# Altium PCB ControleBluePill.PcbDoc (continued)
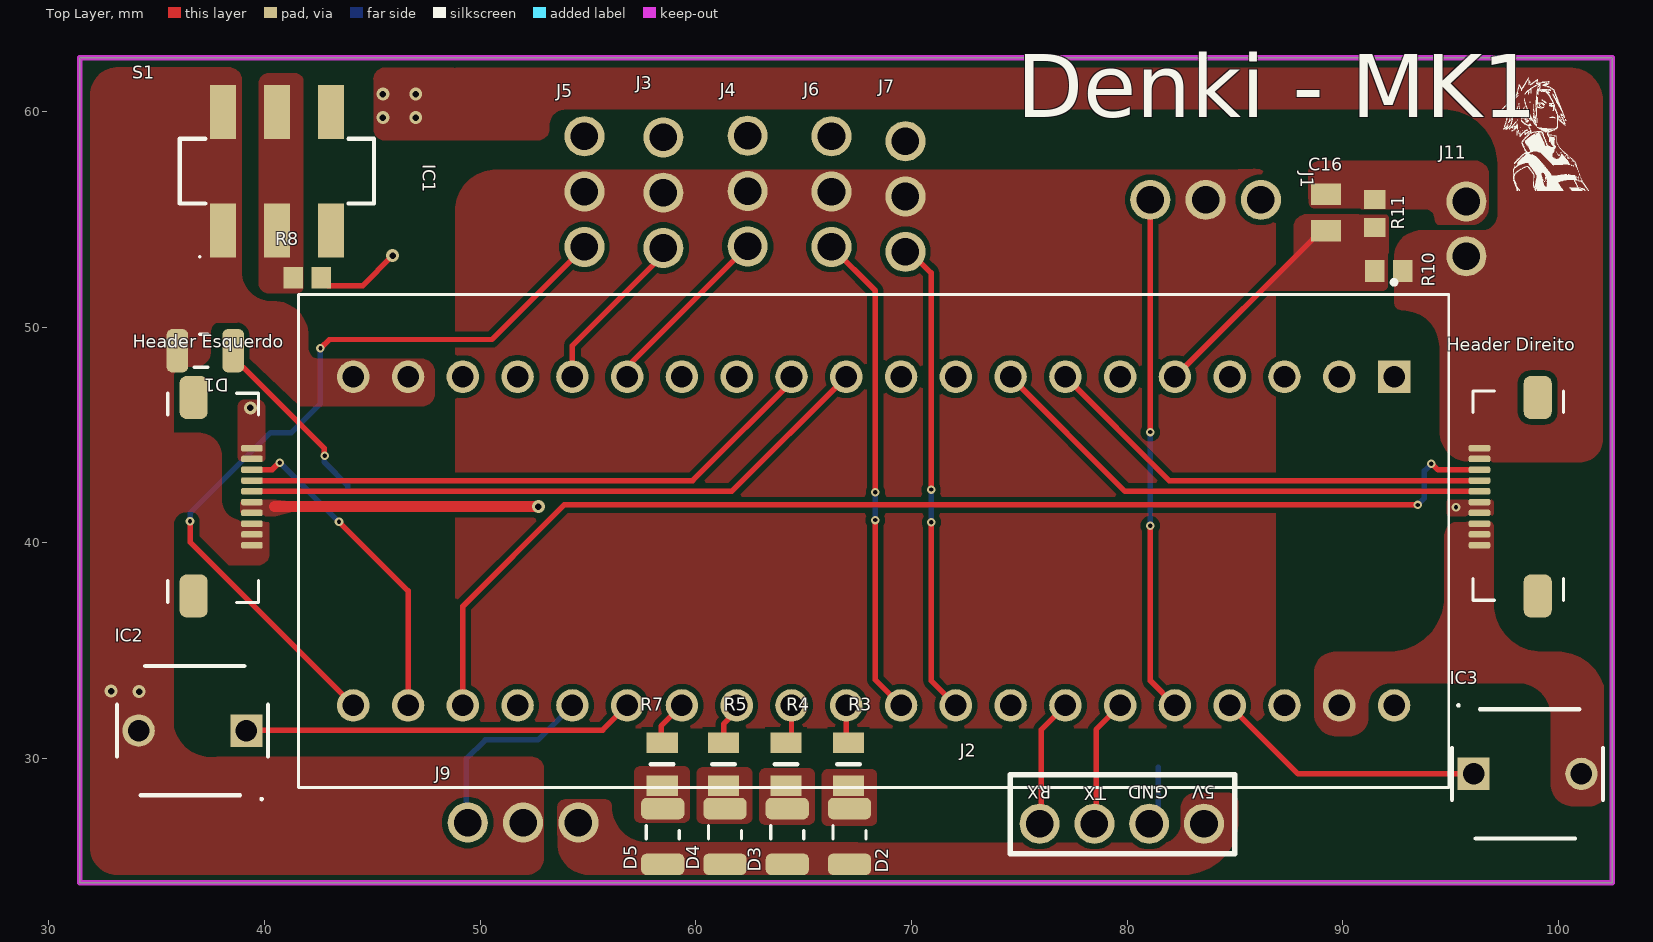
[diagram p0: Top Layer view]
## Part data (continued)
R3 R4 R5 R7: library part CRCW0805100RFKEA, "RES SMD 100 OHM 1% 1/8W 0805", Manufacturer="Vishay / Dale", Operating Temperature="- 55ºC ~ 155ºC", Package / Case="0805 (2012 Metric)", Power Rating="125 mW (1/8 W)", Resistor Type=Fixo, Supplier Part Number 1=71-CRCW0805-100-E3, Temperature Coefficient="100 PPM / C", Tolerance="1 %", Voltage Rating="150 V", Category="Thick Film Resistors - SMD", ComponentLink1Description="Mouser Link", ComponentLink1URL=https://www.mouser.com/ProductDetail/Vishay-Dale/CRCW0805100RFKEA?qs=sGAEpiMZZMu61qfTUdNhG2DpbjADlD3GxPcNG3UnvYk%3D, ComponentLink2Description="Datasheet Link", ComponentLink2URL=https://www.mouser.com/datasheet/2/427/dcrcwe3-1762152.pdf, Library Control - Checked Footprint=No, Library Control - Checked Schematic=Yes, Library Control - Last Update="20/06/21 16:56", Library Control - Person that Checked Schematic=Marcos, Library Control - Person that did the Last Update Footprint=Dalarme, Library Control - Person that did the Last Update Schematic=Marcos, Library Ref=Resistor, Part Number=CRCW0805100RFKEA, Price="1=0,18, 10=0,065, 100=0,027, 1000=0,012 (USD)", Size / Dimension="2 mm L x  1.25 mm W x  0.45 mm H", Supplier 1=Mouser
R8 R9 R10: library part RC0603JR-0710KL, "RES SMD 10K OHM 5% 1/10W 0603", Manufacturer=Yageo, Operating Temperature="- 55ºC ~ 155ºC", Package / Case="0603 (1608 Metric)", Power Rating="100 mW (1/10 W)", Resistor Type=Fixo, Supplier Part Number 1=603-RC0603JR-0710KL, Temperature Coefficient="100 PPM / C", Tolerance="5 %", Voltage Rating="75 V", Category="Thick Film Resistors - SMD", ComponentLink1Description="Mouser Link", ComponentLink1URL=https://br.mouser.com/ProductDetail/Yageo/RC0603JR-0710KL?qs=ksOUTF%2FWcd8D6T22BJkQ7g%3D%3D, ComponentLink2Description="Datsheet Link", ComponentLink2URL=https://br.mouser.com/datasheet/2/447/Yageo_03_18_2021_PYu_RC_Group_51_RoHS_L_11-2199992.pdf, Library Control - Checked Footprint=No, Library Control - Checked Schematic=Yes, Library Control - Last Update="21/06/21 14:15", Library Control - Person that Checked Schematic=Marcos, Library Control - Person that did the Last Update Footprint=Dalarme, Library Control - Person that did the Last Update Schematic=Marcos, Library Ref=Resistor, Part Number=RC0603JR-0710KL, Price="1=0,10, 10=0,015, 100=0,005 1000=0,0040 (USD)", Size / Dimension="1.6 mm L x  0.8 mm W x  0.45 mm H", Supplier 1=Mouser
R11: library part CRGCQ0603F3K3, "RES SMD 3.3K OHM 1% 1/10W 0603", Manufacturer="TE Connectivity / Holsworthy", Operating Temperature="- 55ºC ~ 125ºC", Package / Case="0603 (1608 Metric)", Power Rating="100 mW (1/10 W)", Resistor Type=Fixed, Supplier Part Number 1=279-CRGCQ0603F3K3, Temperature Coefficient="100 PPM / C", Tolerance="1 %", Voltage Rating="75 V", Category="Thick Film Resistors", ComponentLink1Description="Mouser Link", ComponentLink1URL=https://br.mouser.com/ProductDetail/TE-Connectivity-Holsworthy/CRGCQ0603F3K3?qs=sGAEpiMZZMvdGkrng054t7z4BkURc4Lz7mzhBruKq8fwVJ16OlxZFQ%3D%3D, ComponentLink2Description=Datasheet, ComponentLink2URL=https://br.mouser.com/datasheet/2/418/4/NG_DS_1773204-3_1-1358553.pdf, Library Control - Checked Footprint=Yes, Library Control - Checked Schematic=Yes, Library Control - Last Update="27/06/2021 20:27", Library Control - Person that Checked Footprint=Nikaum, Library Control - Person that Checked Schematic=Guilherme, Library Control - Person that did the Last Update Footprint=Dalarme, Library Control - Person that did the Last Update Schematic=Dalarme, Library Ref=Resistor, Part Number=CRGCQ0603F3K3, Price="1=0,10, 10=0,029, 100=0,011 (USD)", Size / Dimension="1.6 mm L x  0.8 mm W x  0.45 mm H", Supplier 1=Mouser
S1: "DEEP SWITCH 4 POSITIONS", Current Rating="300 mA", Manufacturer=C&K, Mouser Part Number=611-JS202011SCQN, Operating Temperature(max - min)=-20~70°C, Voltage Rating DC="30 VDC", ComponentLink1Description="Mouser Link", ComponentLink1URL=https://br.mouser.com/ProductDetail/CK/JS202011SCQN?qs=LgMIjt8LuD95JYWxZ7NvZA%3D%3D, ComponentLink2Description="Datasheet Link", ComponentLink2URL=https://www.mouser.com/datasheet/2/60/js-1841892.pdf, Library Control - Checked Footprint=Yes, Library Control - Checked Schematic=Yes, Library Control - Last Update=15/06/2021, Library Control - Person that Checked Footprint=Nikaum, Library Control - Person that Checked Schematic=Nikaum, Library Control - Person that did the Last Update Footprint=Nikaum, Library Control - Person that did the Last Update Schematic=Nikaum, Library Ref=Diversos, Part Number=JS202011SCQN, Supplier=Mouser, Switch Function="ON - ON"
U1: "IC REG LINEAR 5V 1A D2PAK", Current - Output=1A, Current - Quiescent (Iq)=8mA, Manufacturer=ST, Max Power Dissipation="Internally Limited", Operating Temperature="-40~125 ºC", Package/ Case=D2PAK, Supplier Part Number 1=511-L7805CD2T-TR, Voltage - Dropout (Max)=2V, Voltage - Input (Max)=35V, Voltage - Output (Max)=5.25V, Voltage - Output (Min/Fixed)=5V, Category="Linear Voltage Regulator", ComponentLink1Description="Mouser Link", ComponentLink1URL=https://br.mouser.com/ProductDetail/STMicroelectronics/L7805CD2T-TR?qs=%2Fha2pyFadujE9KQ1BxQHaLKqcK8XYkwQA8UfL%2FIGb8dfQq%2Fq%2FT%2Fjqg%3D%3D, ComponentLink2Description=Datasheet, ComponentLink2URL=https://br.mouser.com/datasheet/2/389/cd00000444-1795274.pdf, Library Control - Checked Footprint=Yes, Library Control - Checked Schematic=Yes, Library Control - Last Update=25/06/21, Library Control - Person that Checked Footprint=Nícolas, Library Control - Person that Checked Schematic=Nícolas, Library Control - Person that did the Last Update Schematic=Nícolas, Library Ref="Voltage Regulator", Number of Regulators=1, Output Type=Fixed, Part Number=L7805CD2T-TR, Power Dissipation="Internally Limited", Price="1=0,93, 10=0,83, 100=0,79 (USD)", Supplier 1=Mouser
J1 J3 J4 J5 J6 J7 J9: Library Ref=Header, Number of Contacts=3, System=Connector
J11: Library Control - Person that did the Last Update Schematic=Marcos, Library Control - Persont that did the Last Update Footprint=Marcos, Library Ref=Header, Number of Contacts=2, System=Connector

## Via types
v1: diameter 0.4, hole 0.2, Top Layer to Bottom Layer, tented top, 14 vias
v2: diameter 0.6, hole 0.3, Top Layer to Bottom Layer, tented top, 9 vias

## Nets (pads, with @x,y where several pads share a name; then routed paths per layer and width w, separated by ;. In a path a pad name is that pad's centre, name@x,y a point inside that pad or via, vN(x,y) a via of type N, cw(c..) or ccw(c..) an arc to the next point about the centre after c; other vN are vias at no path point)
5V: "Header Direito.4" "Header Direito.5" "Header Esquerdo.6" "Header Esquerdo.7" C2.2 C5.1 C15.2 D2.A D3.A D4.A D5.A IC1.5V J1.PIN1 J2.VCC J3.PIN1 J4.PIN1 J5.PIN1 J6.PIN1 J7.PIN1 J9.PIN3 R2.2 U1.3 | length 12.2
  Top Layer w0.5: 40.462,41.681 v2(52.705,41.681)
  other v1: 95.25,41.656
BAT: "Header Direito.9" "Header Direito.10" "Header Esquerdo.1" "Header Esquerdo.2" J11.PIN1 Q1.S R9.1 R10.2
  other v2: 39.345,46.253 45.491,59.715 47.015,59.715 45.491,60.808 47.015,60.808
BLUETOOTHRX: IC1.B6 J2.RX | length 5.9
  Top Layer w0.254: J2.RX@76.022,26.975 76.022,31.344 IC1.B6
BLUETOOTHTX: IC1.B7 J2.TX | length 5.9
  Top Layer w0.254: J2.TX@78.562,26.975 78.562,31.344 IC1.B7
DefineEstrategia: IC1.B9 IC3.1 | length 12.6
  Top Layer w0.254: IC1.B9 87.933,29.288 IC3.1
DIST1: IC1.B11 J3.PIN3 | length 7.7
  Top Layer w0.254: IC1.B11 54.28,49.149 58.496,53.365 J3.PIN3
DIST2: IC1.B10 J4.PIN3 | length 8.4
  Top Layer w0.254: IC1.B10 57.06,47.941 57.06,48.398 J4.PIN3
DIST3: IC1.B12 J5.PIN3 | length 37
  Top Layer w0.254: v1(36.551,40.996) 36.551,40.03 IC1.B12 ; v1(42.596,49.022) 42.605,49.022 43.011,49.428 50.546,49.428 J5.PIN3
  Bottom Layer w0.254: v1(36.551,40.996) 36.551,41.377 40.284,45.11 41.25,45.11 42.596,46.457 v1(42.596,49.022)
DIST4: IC1.B3 J6.PIN3 | length 22.6
  Top Layer w0.254: J6.PIN3 68.326,51.689 v1(68.326,42.339) ; v1(68.322,41.054) 68.322,33.659 IC1.B3
  Bottom Layer w0.254: v1@68.326,41.046 68.324,41.048 68.324,42.337 v1(68.326,42.339)
DIST5: IC1.B4 J7.PIN3 | length 22.2
  Top Layer w0.254: J7.PIN3@69.753,53.683 70.917,52.519 v1(70.917,42.469) ; v1(70.923,40.957) 70.923,33.598 IC1.B4
  Bottom Layer w0.254: v1@70.917,40.945 v1(70.917,42.469)
EscolhaEstrategia: IC1.A9 IC2.1 | length 18.2
  Top Layer w0.254: IC2.1@39.113,31.318 55.677,31.318 IC1.A9
FLAGSIGNAL: IC1.A8 J9.PIN1 | length 8.9
  Bottom Layer w0.254: J9.PIN1@49.353,27.026 49.353,29.972 50.241,30.861 52.68,30.861 IC1.A8
GND: "Header Direito.1" "Header Direito.2" "Header Direito.3" "Header Esquerdo.8" "Header Esquerdo.9" "Header Esquerdo.10" C1.1 C2.1 C5.2 C15.1 C16.1 D1.C IC1.G IC2.2 IC3.2 J1.PIN2 J2.GND J3.PIN2 J4.PIN2 J5.PIN2 J6.PIN2 J7.PIN2 J9.PIN2 J11.PIN2 R11.1 S1.A2 U1.2 | length 2.9
  Bottom Layer w0.254: J2.GND ccw(c81.026,27.395) 81.446,27.395 C15.1
  other v2: 34.188,33.096 32.893,33.122
LED1: IC1.A15 R3.2 | length 1.8
  Top Layer w0.254: IC1.A15 66.98,30.836 R3.2
LED2: IC1.A12 R4.2 | length 1.8
  Top Layer w0.254: R4.2 64.44,30.988 IC1.A12
LED3: IC1.A11 R5.2 | length 2
  Top Layer w0.254: R5.2 61.29,31.59 61.9,32.2 IC1.A11
LED4: IC1.A10 R7.2 | length 2.1
  Top Layer w0.254: R7.2@58.395,30.734 58.395,31.496 IC1.A10
M1_Aux: "Header Esquerdo.3" IC1.B13 | length 15.1
  Top Layer w0.254: 39.421,43.389 40.352,43.389 40.677,43.713 v1(40.716,43.713) ; v1(43.459,40.97) 46.66,37.77 IC1.B13
  Bottom Layer w0.254: v1(40.716,43.713) v1(43.459,40.97)
M1DIR: "Header Esquerdo.5" IC1.A6 | length 29.8
  Top Layer w0.254: 39.421,42.389 61.667,42.389 IC1.A6
M1PWM: "Header Esquerdo.4" IC1.A7 | length 27.3
  Top Layer w0.254: 39.421,42.889 59.856,42.889 IC1.A7@64.73,47.763
M2_Aux: "Header Direito.8" IC1.B14 | length 55.3
  Top Layer w0.254: IC1.B14 49.2,37.059 53.899,41.758 v1(93.472,41.758) ; v1(94.107,43.663) 94.147,43.663 94.423,43.386 96.34,43.386 96.342,43.389
  Bottom Layer w0.254: v1(93.472,41.758) 93.784,42.07 93.784,43.34 v1(94.107,43.663)
M2DIR: "Header Direito.6" IC1.A3 | length 23.9
  Top Layer w0.254: IC1.A3 79.912,42.389 96.342,42.389
M2PWM: "Header Direito.7" IC1.A2 | length 21.2
  Top Layer w0.254: IC1.A2 81.952,42.889 96.342,42.889
MedidorBateria: C16.2 IC1.A0 R10.1 R11.2 | length 9.8
  Top Layer w0.254: IC1.A0 88.617,54.098 88.849,54.098 C16.2
NetC1_2: C1.2 Q1.D U1.1
NetD1_A: D1.A R2.1 | length 8.5
  Top Layer w0.254: D1.A 38.554,48.474 38.917,48.11 39.046,48.11 42.768,44.389 42.768,44.058 v1(42.796,44.03)
  Bottom Layer w0.254: 42.774,43.79 42.774,43.751 43.856,42.668 R2.1
NetD2_C: D2.C R3.1
NetD3_C: D3.C R4.1
NetD4_C: D4.C R5.1
NetD5_C: D5.C R7.1
NetQ1_G: Q1.G R8.2 R9.2 | length 4.1
  Top Layer w0.254: R8.2 42.636,52.249 42.959,51.926 43.1,51.926 43.108,51.918 44.552,51.918 v2(45.949,53.315)
NetR8_1: R8.1 S1.A1
START: IC1.B8 J1.PIN3 | length 23.9
  Top Layer w0.254: v1(81.077,40.792) 81.077,33.604 IC1.B8 ; v1(81.077,45.136) J1.PIN3
  Bottom Layer w0.254: v1(81.077,40.792) v1(81.077,45.136)
pads on no net: "Header Direito.MP1" "Header Direito.MP2" "Header Esquerdo.MP1" "Header Esquerdo.MP2" IC1.3.3V IC1.A1 IC1.A4 IC1.A5 IC1.B0 IC1.B1 IC1.B5 IC1.B15 IC1.C13 IC1.C14 IC1.C15 IC1.R IC1.VB S1.A3

## Polygon pours and split planes (outlines as drawn)
NetC1_2 on Bottom Layer "NETC1_2_L02_P001" (solid, pour order 1): 45.796,40.564 49.745,40.564 cw(c49.745,39.103) 51.206,39.103 51.206,36.474 cw(c50.698,36.474) 50.698,35.966 33.655,35.966 cw(c33.655,37.732) 31.89,37.732 31.89,57.112 cw(c33.401,57.112) 33.401,58.623 38.329,58.623 cw(c38.329,56.083) 40.869,56.083 40.869,52.549 cw(c40.161,52.549) 40.161,51.841 ccw(c40.161,47.393) 35.712,47.393 35.712,41.554 ccw(c36.83,41.681) 36.957,40.564
GND on Bottom Layer "GND_L02_P044" (solid, pour order 44): 79.451,55.913 79.451,55.778 ccw(c80.747,55.778) 80.747,54.483 81.039,54.483 ccw(c81.039,55.842) 82.398,55.842 cw(c82.398,55.461) 82.779,55.461 82.779,53.823 ccw(c82.626,53.823) 82.626,53.975 78.486,53.975
GND on Bottom Layer "GND_L02_P043" (solid, pour order 43): 58.344,33.706 cw(c59.614,33.706) 59.614,34.976 78.486,34.976 cw(c78.486,32.461) 81.001,32.461 81.001,27.407 cw(c78.969,27.407) 78.969,25.375
GND on Bottom Layer "GND_L02_P042" (solid, pour order 42): 54.915,35.349 54.915,31.979 ccw(c56.261,31.979) 56.261,30.632 cw(c56.261,29.743) 57.15,29.743 57.15,25.705 ccw(c58.293,25.705) 58.293,24.562 80.347,24.562 ccw(c80.347,26.404) 82.189,26.404
GND on Bottom Layer "GND_L02_P040" (solid, pour order 40): 70.279,33.909 73.355,33.909 cw(c73.355,31.369) 75.895,31.369 75.895,30.074 ccw(c77.673,30.074) 77.673,28.296 78.969,28.296 cw(c78.969,27.483) 79.781,27.483 79.781,27.127 ccw(c81.128,27.239) 82.189,26.404 82.189,30.45 cw(c83.096,30.513) 83.033,31.42 84.125,31.42 ccw(c84.125,33.02) 85.725,33.02 85.725,33.325 cw(c86.284,33.325) 86.284,33.884 86.284,34.544 ccw(c83.744,34.544) 83.744,37.084 72.492,37.084
GND on Bottom Layer "GND_L02_P039" (solid, pour order 39): 70.129,33.909 77.241,33.909 cw(c77.241,31.369) 79.781,31.369 79.781,25.832 ccw(c80.467,25.832) 80.467,25.146 81.483,25.146 ccw(c81.483,25.908) 82.245,25.908 82.245,32.283 cw(c83.871,32.283) 83.871,33.909 83.871,34.112 ccw(c81.331,34.112) 81.331,36.652 72.441,36.652 ccw(c72.441,36.424) 72.212,36.424
GND on Bottom Layer "GND_L02_P036" (solid, pour order 36): 51.49,49.272 52.375,49.272 cw(c52.375,46.732) 54.915,46.732 54.915,35.509 ccw(c56.54,35.509) 56.54,33.884 87.732,33.884 cw(c87.732,32.791) 88.824,32.791 88.824,31.801 ccw(c89.56,31.801) 89.56,31.064 90.297,31.064 ccw(c90.297,31.928) 91.161,31.928 91.161,34.239 cw(c92.253,34.239) 92.253,35.331 ccw(c92.253,36.144) 93.066,36.144 93.066,52.451 cw(c95.225,52.451) 95.225,54.61 95.961,54.61 ccw(c95.961,55.448) 96.799,55.448 96.799,56.388 ccw(c96.088,56.388) 96.088,57.099 89.129,57.099 ccw(c89.129,56.515) 88.544,56.515 88.544,54.966 cw(c87.833,54.966) 87.833,54.254 85.709,54.254 cw(c85.709,55.229) 84.734,55.229 83.194,55.229 ccw(c83.194,54.498) 82.464,54.498 74.61,54.498 cw(c74.61,56.896) 72.212,56.896 ccw(c71.73,56.896) 71.73,57.379 52.972,57.379
GND on Bottom Layer "GND_L02_P033" (solid, pour order 33): 47.329,46.615 45.777,46.615 ccw(c45.777,45.39) 44.552,45.39 44.552,44.272 cw(c44.298,44.272) 44.298,44.018 43.663,44.018 cw(c43.65,44.539) 43.129,44.526 43.129,47.051
GND on Bottom Layer "GND_L02_P028" (solid, pour order 28): 43.104,47.244 ccw(c43.764,47.244) 43.764,46.584 47.092,46.584 ccw(c47.092,47.396) 47.904,47.396 47.904,47.904 cw(c49.174,47.904) 49.174,49.174 50.749,49.174 ccw(c50.749,51.714) 53.289,51.714 53.289,53.556 cw(c54.623,53.556) 54.623,54.889 54.94,54.889 ccw(c54.94,56.464) 56.515,56.464 ccw(c55.601,56.464) 55.601,57.379 50.343,57.379 ccw(c50.343,55.88) 48.844,55.88 48.844,53.061 cw(c47.981,53.061) 47.981,52.197 45.796,52.197 ccw(c45.796,51.054) 44.653,51.054 44.653,50.267 cw(c43.688,50.267) 43.688,49.301 ccw(c43.688,48.717) 43.104,48.717 43.104,48.565
GND on Bottom Layer "GND_L02_P027" (solid, pour order 27): 82.398,56.718 cw(c82.804,56.718) 82.804,57.125 84.252,57.125 cw(c84.252,56.642) 84.734,56.642 84.734,52.603 cw(c83.82,52.603) 83.82,51.689 74.244,51.689 cw(c74.244,54) 71.933,54 ccw(c71.044,54) 71.044,54.889 54.356,54.889 cw(c54.356,55.677) 53.569,55.677 53.569,56.896 cw(c54.051,56.896) 54.051,57.379 77.826,57.379 cw(c77.826,55.753) 79.451,55.753 79.451,54.839 ccw(c80.061,54.839) 80.061,54.229 81.661,54.229 ccw(c81.661,54.966) 82.398,54.966
5V on Bottom Layer "5V_L02_P023" (solid, pour order 23): 82.448,28.239 82.448,30.404 cw(c82.702,30.404) 82.702,30.658 84.684,30.658 ccw(c84.684,32.233) 86.258,32.233 86.258,33.02 cw(c86.843,33.02) 86.843,33.604 87.986,33.604 cw(c87.986,33.02) 88.57,33.02 88.57,29.591 ccw(c90.322,29.591) 90.322,27.838 cw(c89.51,27.838) 89.51,27.026 87.452,27.026
GND on Bottom Layer "GND_L02_P018" (solid, pour order 18): 50.902,29.362 cw(c51.333,29.362) 51.333,29.794 52.654,29.794 cw(c52.654,29.413) 53.035,29.413 53.035,26.568 cw(c52.451,26.568) 52.451,25.984 51.511,25.984 cw(c51.511,26.594) 50.902,26.594
5V on Bottom Layer "5V_L02_P017" (solid, pour order 17): 53.594,60.604 53.594,58.42 ccw(c54.432,58.42) 54.432,57.582 84.226,57.582 cw(c84.226,56.82) 84.988,56.82 84.988,55.321 ccw(c85.674,55.321) 85.674,54.635 87.147,54.635 ccw(c87.147,55.22) 87.732,55.22 87.732,56.693 cw(c88.443,56.693) 88.443,57.404 96.622,57.404 cw(c96.622,56.642) 97.384,56.642 97.384,42.672 cw(c96.749,42.672) 96.749,42.037 94.996,42.037 ccw(c94.996,41.859) 94.818,41.859 94.818,41.402 ccw(c94.996,41.402) 94.996,41.224 96.825,41.224 cw(c96.825,40.767) 97.282,40.767 97.282,28.778 cw(c96.342,28.778) 96.342,27.838 85.674,27.838 cw(c85.674,28.042) 85.471,28.042 85.471,28.346 ccw(c85.09,28.346) 85.09,28.727 83.058,28.727 ccw(c83.058,28.118) 82.448,28.118 82.448,25.349 ccw(c83.185,25.349) 83.185,24.613 99.466,24.613 ccw(c99.466,27.102) 101.956,27.102 101.956,57.988 ccw(c99.339,57.988) 99.339,60.604 97.104,60.604
5V on Bottom Layer "5V_L02_P011" (solid, pour order 11): 42.596,28.245 ccw(c45.085,28.245) 45.085,25.756 52.527,25.756 ccw(c52.527,26.568) 53.34,26.568 53.34,29.388 cw(c53.899,29.388) 53.899,29.947 55.118,29.947 cw(c55.118,28.956) 56.109,28.956 56.109,25.357 cw(c55.372,25.357) 55.372,24.62 41.809,24.62
5V on Bottom Layer "5V_L02_P009" (solid, pour order 9): 48.895,41.224 50.216,41.224 cw(c50.216,39.751) 51.689,39.751 51.689,36.322 cw(c50.876,36.322) 50.876,35.509 37.338,35.509 ccw(c37.338,34.519) 36.347,34.519 36.347,25.705 ccw(c37.44,25.705) 37.44,24.613 41.681,24.613 ccw(c41.681,25.527) 42.596,25.527 42.596,32.055 cw(c43.993,32.055) 43.993,33.452 52.324,33.452 ccw(c52.324,34.9) 53.772,34.9 53.772,43.18 ccw(c51.232,43.18) 51.232,45.72 49.124,45.72 ccw(c49.124,44.298) 47.701,44.298
GND on Bottom Layer "GND_L02_P010" (solid, pour order 10): 31.953,34.874 cw(c32.639,34.874) 32.639,35.56 35.306,35.56 cw(c35.306,35.077) 35.789,35.077 35.789,30.48 cw(c35.331,30.48) 35.331,30.023 32.639,30.023 cw(c32.639,30.709) 31.953,30.709
NetQ1_G on Bottom Layer "NETQ1_G_L02_P006" (solid, pour order 6): 43.917,53.569 cw(c44.247,53.569) 44.247,53.899 47.701,53.899 cw(c47.701,53.505) 48.095,53.505 48.095,53.061 cw(c47.79,53.061) 47.79,52.756 44.12,52.756 cw(c44.12,52.959) 43.917,52.959
BAT on Bottom Layer "BAT_L02_P005" (solid, pour order 5): 45.414,54.218 47.563,54.218 ccw(c47.563,54.737) 48.082,54.737 48.082,61.138 ccw(c47.587,61.151) 47.6,61.646 45.745,61.646 ccw(c45.745,60.148) 44.247,60.148 44.247,58.141 cw(c42.621,58.141) 42.621,56.515
BAT on Bottom Layer "BAT_L02_P004" (solid, pour order 4): 43.129,61.646 45.644,61.646 cw(c45.644,61.138) 46.152,61.138 46.152,55.22 cw(c45.11,55.22) 45.11,54.178 44.145,54.178 ccw(c44.145,53.594) 43.561,53.594 43.561,50.419 cw(c42.723,50.419) 42.723,49.581 ccw(c42.723,48.768) 41.91,48.768 41.91,46.965 cw(c40.665,46.965) 40.665,45.72 39.192,45.72 cw(c39.192,46.228) 38.684,46.228 38.684,49.225 cw(c40.843,49.225) 40.843,51.384 ccw(c40.843,51.918) 41.377,51.918 41.377,61.011 cw(c42.012,61.011) 42.012,61.646
5V on Bottom Layer "5V_L02_P002" (solid, pour order 2): 44.856,44.806 44.856,45.237 cw(c45.339,45.237) 45.339,45.72 50.8,45.72 cw(c50.8,45.034) 51.486,45.034 51.486,42.139 cw(c50.584,42.139) 50.584,41.237 45.758,41.237 cw(c45.758,42.189) 44.806,42.189
NetC1_2 on Bottom Layer "NETC1_2_L02_P000" (solid, pour order 0): 40.081,51.841 ccw(c40.081,52.654) 40.894,52.654 40.894,61.519 ccw(c40.335,61.519) 40.335,62.078 32.944,62.078 ccw(c32.829,61.176) 31.928,61.29 31.928,52.857 ccw(c32.944,52.857) 32.944,51.841
GND on Top Layer "GND_L01_P051" (solid, pour order 51): 37.897,50.216 ccw(c37.897,49.835) 37.516,49.835 37.516,48.888 cw(c36.786,48.888) 36.786,48.158 cw(c36.786,48.343) 36.601,48.343 36.601,50.622
GND on Top Layer "GND_L01_P050" (solid, pour order 50): 38.938,52.578 ccw(c40.31,52.578) 40.31,51.206 40.411,51.206 cw(c40.411,49.581) 42.037,49.581 42.037,48.997 ccw(c42.494,48.997) 42.494,48.539 47.269,48.539 cw(c47.269,47.904) 47.904,47.904 47.904,46.939 cw(c47.295,46.939) 47.295,46.33 41.631,46.33 cw(c41.631,46.355) 41.605,46.355 39.243,48.616 39.243,49.708 ccw(c38.735,49.708) 38.735,50.216 37.897,50.216 ccw(c37.776,49.663) 37.224,49.784 cw(c36.962,51.059) 35.687,50.8 35.687,52.502
NetD2_C on Top Layer "NETD2_C_L01_P048" (solid, pour order 48): 65.837,27.153 ccw(c66.116,27.153) 66.116,26.873 68.123,26.873 ccw(c68.123,27.153) 68.402,27.153 68.402,29.235 ccw(c68.148,29.235) 68.148,29.489 66.116,29.489 ccw(c66.116,29.21) 65.837,29.21
NetD3_C on Top Layer "NETD3_C_L01_P047" (solid, pour order 47): 62.941,27.203 ccw(c63.221,27.203) 63.221,26.924 65.227,26.924 ccw(c65.227,27.203) 65.507,27.203 65.507,29.286 ccw(c65.253,29.286) 65.253,29.54 63.221,29.54 ccw(c63.221,29.261) 62.941,29.261
NetD4_C on Top Layer "NETD4_C_L01_P046" (solid, pour order 46): 60.046,27.254 ccw(c60.325,27.254) 60.325,26.975 62.332,26.975 ccw(c62.332,27.254) 62.611,27.254 62.611,29.337 ccw(c62.357,29.337) 62.357,29.591 60.325,29.591 ccw(c60.325,29.312) 60.046,29.312
NetD5_C on Top Layer "NETD5_C_L01_P045" (solid, pour order 45): 57.15,27.305 ccw(c57.429,27.305) 57.429,27.026 59.436,27.026 ccw(c59.436,27.305) 59.715,27.305 59.715,29.388 ccw(c59.461,29.388) 59.461,29.642 57.429,29.642 ccw(c57.429,29.362) 57.15,29.362
5V on Top Layer "5V_L01_P020" (solid, pour order 20): 53.569,26.797 53.569,27.686 cw(c54,27.686) 54,28.118 55.753,28.118 cw(c55.753,27.762) 56.109,27.762 ccw(c57.76,27.762) 57.76,26.111 67.437,26.111 cw(c67.437,25.756) 67.793,25.756 67.793,24.841 cw(c67.564,24.841) 67.564,24.613 55.042,24.613 cw(c55.042,26.06) 53.594,26.06
GND on Top Layer "GND_L01_P041" (solid, pour order 41): 84.455,57.302 50.775,57.302 ccw(c50.775,55.372) 48.844,55.372 48.844,32.487 ccw(c49.936,32.487) 49.936,31.394 84.963,31.394 ccw(c84.963,33.325) 86.893,33.325 86.893,56.312 ccw(c85.852,56.312) 85.852,57.353
5V on Top Layer "5V_L01_P038" (solid, pour order 38): 67.234,26.086 81.585,26.086 ccw(c81.585,27) 82.499,27 82.499,27.711 cw(c83.21,27.711) 83.21,28.423 84.658,28.423 cw(c84.658,27.915) 85.166,27.915 85.166,27.16 cw(c82.626,27.16) 82.626,24.62 66.896,24.62 cw(c66.896,25.095) 66.421,25.095
GND on Top Layer "GND_L01_P034" (solid, pour order 34): 40.03,41.046 cw(c40.03,40.843) 40.234,40.843 40.234,39.497 cw(c39.7,39.497) 39.7,38.964 38.354,38.964 37.008,40.31 37.008,40.919 ccw(c36.5,40.919) 36.5,41.427 36.373,41.427 ccw(c36.373,40.843) 35.789,40.843 35.789,40.437 cw(c35.789,42.215) 34.011,42.215 34.011,43.332 cw(c35.789,43.332) 35.789,45.11 36.932,45.11 cw(c36.932,44.018) 38.024,44.018 38.024,41.986 ccw(c38.964,41.986) 38.964,41.046
GND on Top Layer "GND_L01_P031" (solid, pour order 31): 88.392,56.058 88.392,57.125 cw(c88.976,57.125) 88.976,57.709 96.139,57.709 cw(c96.139,57.074) 96.774,57.074 96.774,55.626 cw(c95.834,55.626) 95.834,54.686 94.615,54.686 cw(c94.615,55.042) 94.259,55.042 ccw(c93.828,55.042) 93.828,55.474 88.773,55.474 cw(c88.773,55.829) 88.417,55.829
5V on Top Layer "5V_L01_P030" (solid, pour order 30): 40.518,41.224 41.402,41.453 41.402,41.91 40.543,42 40.462,41.681
5V on Top Layer "5V_L01_P029" (solid, pour order 29): 38.964,42.037 ccw(c38.964,41.961) 38.887,41.961 38.887,41.326 ccw(c38.989,41.326) 38.989,41.224 40.488,41.224 ccw(c40.488,41.377) 40.64,41.377 40.64,41.808 ccw(c40.411,41.808) 40.411,42.037
GND on Top Layer "GND_L01_P026" (solid, pour order 26): 91.186,34.95 92.177,34.95 ccw(c92.177,37.49) 94.717,37.49 94.717,40.31 cw(c95.428,40.31) 95.428,41.021 96.749,41.021 cw(c96.749,40.767) 97.003,40.767 97.003,37.186 ccw(c99.238,37.186) 99.238,34.95 cw(c98.425,34.95) 98.425,34.138 91.262,34.138
5V on Top Layer "5V_L01_P025" (solid, pour order 25): 94.971,42.037 ccw(c94.971,41.885) 94.818,41.885 94.818,41.402 ccw(c94.996,41.402) 94.996,41.224 96.85,41.224 ccw(c96.85,41.377) 97.003,41.377 97.003,41.834 ccw(c96.799,41.834) 96.799,42.037
GND on Top Layer "GND_L01_P024" (solid, pour order 24): 89.713,31.039 cw(c89.713,32.08) 88.671,32.08 88.671,33.96 cw(c89.662,33.96) 89.662,34.95 99.924,34.95 cw(c99.924,32.664) 102.21,32.664 102.21,28.55 cw(c101.448,28.55) 101.448,27.788 100.686,27.788 cw(c100.686,28.829) 99.644,28.829 99.644,31.852 ccw(c98.158,31.991) 98.298,33.477 92.151,33.477 ccw(c92.227,32.436) 91.186,32.36 91.186,31.902 cw(c90.322,31.902) 90.322,31.039
MedidorBateria on Top Layer "MEDIDORBATERIA_L01_P022" (solid, pour order 22): 88.159,51.689 86.309,51.689 87.782,53.162 87.909,53.162 87.909,53.137 88.392,52.654
MedidorBateria on Top Layer "MEDIDORBATERIA_L01_P021" (solid, pour order 21): 91.948,55.245 cw(c91.948,55.067) 92.126,55.067 92.126,51.968 cw(c91.846,51.968) 91.846,51.689 88.265,51.689 cw(c88.265,52.222) 87.732,52.222 87.732,54.635 cw(c88.341,54.635) 88.341,55.245
BAT on Top Layer "BAT_L01_P016" (solid, pour order 16): 48.849,58.674 52.68,58.674 ccw(c52.68,59.207) 53.213,59.207 53.213,59.36 cw(c53.95,59.36) 53.95,60.096 94.64,60.096 cw(c94.64,57.556) 97.18,57.556 97.18,55.22 cw(c96.444,55.22) 96.444,54.483 93.624,54.483 ccw(c93.624,53.238) 92.38,53.238 92.38,51.181 ccw(c92.786,51.181) 92.786,50.775 cw(c92.786,49.073) 94.488,49.073 94.488,45.187 ccw(c95.936,45.187) 95.936,43.739 100.99,43.739 ccw(c100.99,44.806) 102.057,44.806 102.057,60.503 ccw(c100.521,60.503) 100.52,62.039 48.777,62.039
BAT on Top Layer "BAT_L01_P015" (solid, pour order 15): 45.06,61.417 cw(c45.625,61.474) 45.568,62.039 48.654,62.039 cw(c48.654,61.417) 49.276,61.417 49.276,59.207 cw(c48.743,59.207) 48.743,58.674 45.568,58.674 cw(c45.568,59.182) 45.06,59.182
GND on Top Layer "GND_L01_P014" (solid, pour order 14): 35.763,31.598 ccw(c37.541,31.852) 37.795,30.074 52.324,30.074 cw(c52.375,29.489) 52.959,29.54 52.959,25.4 cw(c52.172,25.4) 52.172,24.613 33.174,24.613 cw(c33.174,25.858) 31.928,25.858 31.928,31.09 cw(c32.817,31.09) 32.817,31.979
GND on Top Layer "GND_L01_P008" (solid, pour order 8): 36.678,48.158 ccw(c36.678,48.704) 37.224,48.704 37.224,50.863 cw(c38.532,50.863) 38.532,52.172 ccw(c38.532,52.578) 38.938,52.578 38.938,61.443 ccw(c38.329,61.443) 38.329,62.052 33.223,62.052 ccw(c33.223,60.757) 31.928,60.757 31.928,25.933 ccw(c32.69,25.933) 32.69,25.171 35.103,25.171 ccw(c35.103,25.857) 35.789,25.857 35.789,47.701 cw(c36.246,47.701) 36.246,48.158
NetR8_1 on Top Layer "NETR8_1_L01_P007" (solid, pour order 7): 39.726,58.649 39.726,61.29 cw(c40.208,61.29) 40.208,61.773 41.427,61.773 cw(c41.427,61.392) 41.808,61.392 41.808,51.841 cw(c41.478,51.892) 41.427,51.562 40.208,51.562 cw(c40.208,52.045) 39.726,52.045
BAT on Top Layer "BAT_L01_P003" (solid, pour order 3): 39.827,43.713 ccw(c39.827,43.917) 40.03,43.917 40.03,46.33 ccw(c39.675,46.279) 39.624,46.634 39.065,46.634 ccw(c39.065,46.33) 38.76,46.33 38.76,44.018 ccw(c39.04,43.993) 39.014,43.713

## Keep-outs
Keep-Out Layer:
  the board outline again, w0.254

## Silkscreen, mask and mechanical layers (free items; w line width, h text height)
Top Overlay:
  drawing of 283 lines, arcs and shapes, not listed
  text "Denki - MK1" at 74.874,58.776 h5
Bottom Overlay:
  text "A" at 95.479,29.009 h25
BoardOutLine:
  the board outline again, w0.254

## Text inside footprints (layer, text, board x,y; h text height)
J2: Top Overlay "GND" at 81.915,28.946 h1 r180; Top Overlay "TX" at 79.045,28.885 h1 r180; Top Overlay "RX" at 76.479,28.935 h1 r180; Top Overlay "5V" at 84.099,28.935 h1 r180